# Altium PCB BeagleBone_Black_RevB4.PcbDoc (part 4 of 5)
Units mil, origin at the board's own origin, x right, y up, seen from the top; angles counter-clockwise.
Board outline 3401 x 2151 mil, 6 copper layers (TOP, LYR2_GND, LYR3, LYR4, LYR5_PWR, BOTTOM), stack 62 mil thick; 381 components, 310 nets, 1705 pads, 850 vias.
Unrouted connection lines stored in the file: 1.
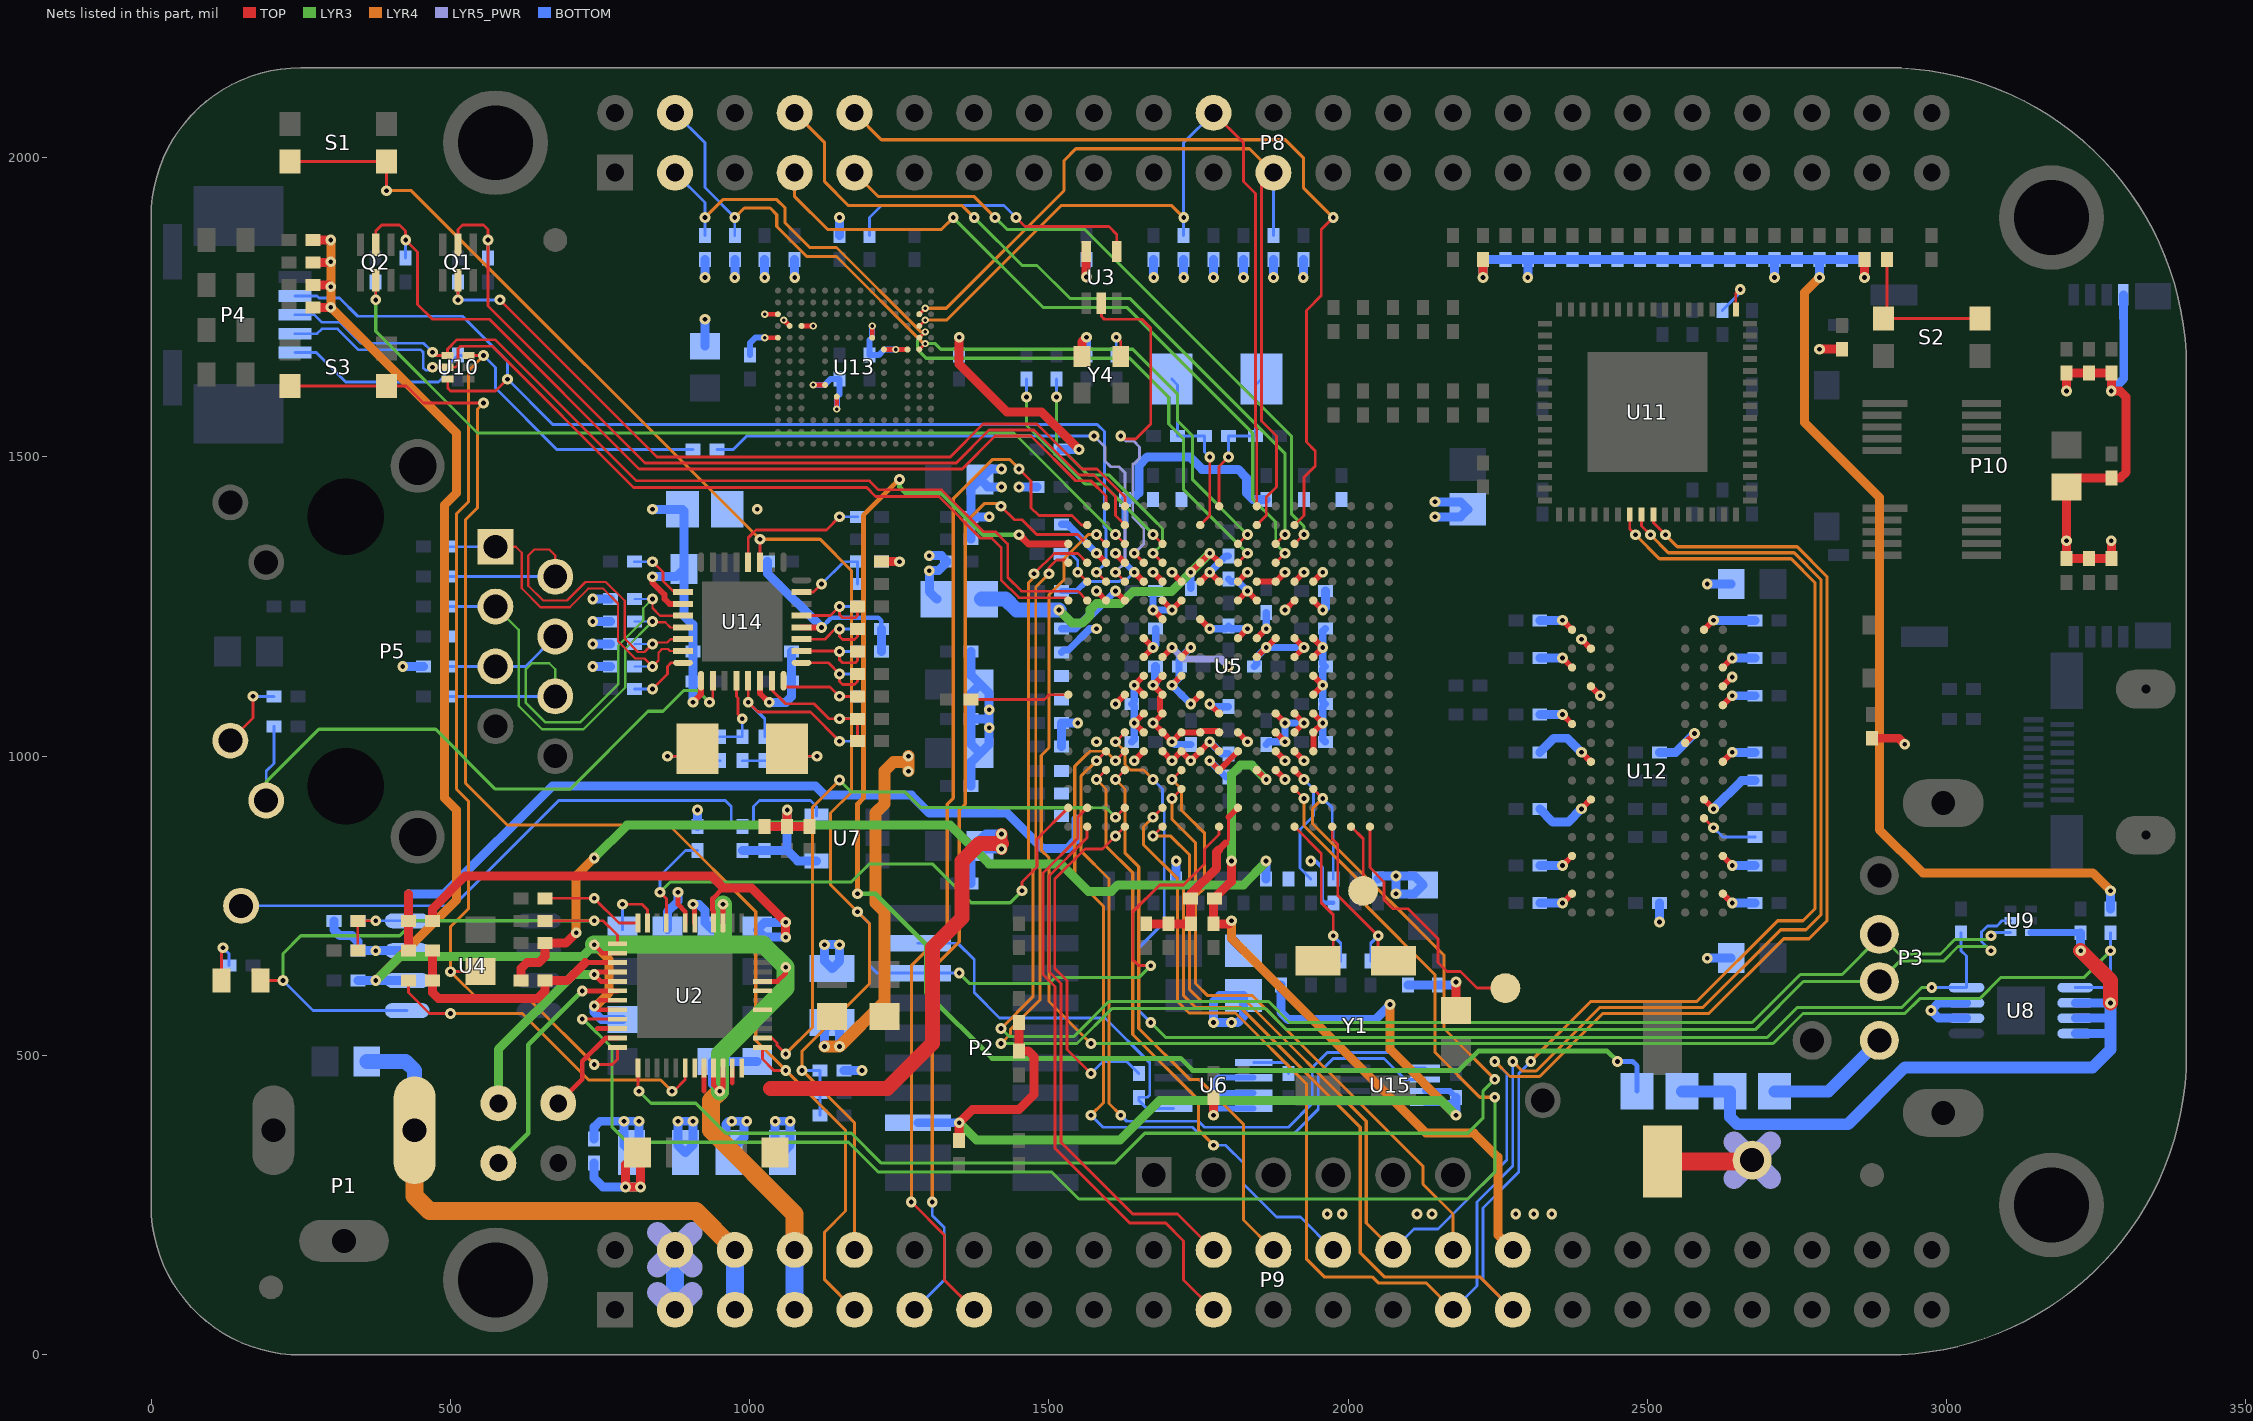
[diagram p8: the nets of this part, all layers, seen from the top]

## Via types
v1: diameter 18, hole 8, TOP to BOTTOM, tented both sides, 793 vias
v2: diameter 22, hole 12, TOP to BOTTOM, tented both sides, 30 vias
v3: diameter 12, hole 6, TOP to BOTTOM, tented both sides, 27 vias

## Nets (pads, with @x,y where several pads share a name; then routed paths per layer and width w, separated by ;. In a path a pad name is that pad's centre, name@x,y a point inside that pad or via, vN(x,y) a via of type N, cw(c..) or ccw(c..) an arc to the next point about the centre after c; other vN are vias at no path point) (continued)
MMC1_DAT4: P8.23 R105.2 U5.U8 U13.B3 | length 1478.1
  TOP w4.75: U13.B3@1283.27,1738.58 v3(1293.11,1748.43) ; U5.U8@1847.24,1386.22 1863.01,1401.99 1863.01,1433.01 1880,1450 1880,1535 1855,1560 1855,1955 P8.23@1875,1975
  LYR4 w5.25: v3(1293.11,1748.43) 1328.43,1748.43 1525,1945 1525,1995 1545,2015 1835,2015 P8.23@1875,1975
  BOTTOM w4.75: R105.2@1875,1870 P8.23@1875,1975
MMC1_DAT5: P8.22 R106.2 U5.V8 U13.B4 | length 1446.2
  TOP w4.75: U13.B4@1283.27,1718.9 v3(1293.11,1728.74) ; P8.22@1775,2075 1825,2025 1825,1960 1845,1940 1845,1550 1847.24,1547.76 U5.V8@1847.24,1417.72
  LYR4 w5.25: v3(1293.11,1728.74) 1328.74,1728.74 1520,1920 1705,1920 v1(1725,1900)
  BOTTOM w4.75: R106.2@1725,1870 v1(1725,1900) 1725,2025 P8.22@1775,2075
MMC1_DAT6: P8.3 R107.2 U5.R9 U13.B5 | length 1451.7
  TOP w4.75: U13.B5@1283.27,1699.21 v3(1293.11,1709.06) ; U5.R9@1815.75,1323.23 v1(1831.5,1338.98)
  LYR3 w5.25: v3(1293.11,1709.06) 1280,1695.95 1280,1680 1295,1665 1635,1665 1700,1600 1700,1555 1725,1530 1725,1445.48 v1(1831.5,1338.98)
  LYR4 w5.25: v1(925,1900) 955,1930 1045,1930 1059.01,1915.99 1059.01,1890.99 1100,1850 1145,1850 1285.94,1709.06 v3(1293.11,1709.06)
  BOTTOM w4.75: P8.3@875,1975 925,1925 v1(925,1900) R107.2@925,1870
MMC1_DAT7: P8.4 R108.2 U5.T9 U13.B6 | length 1452.6
  TOP w4.75: U13.B6@1283.27,1679.53 v3(1293.11,1689.37) ; U5.T9@1815.75,1354.72 v1(1831.5,1370.47)
  LYR3 w5.25: v3(1293.11,1689.37) 1310,1689.37 1319.37,1680 1640,1680 1715,1605 1715,1560 1740,1535 1740,1461.97 v1(1831.5,1370.47)
  LYR4 w5.25: v1(975,1900) 990.99,1915.99 1034.01,1915.99 1045,1905 1045,1885 1095,1835 1145,1835 1290.63,1689.37 v3(1293.11,1689.37)
  BOTTOM w4.75: P8.4@875,2075 925,2025 925,1950 v1(975,1900) R108.2@975,1870
MODE2: R113.1 R138.2 U14.15 | length 152
  TOP w4.75: U14.15@1086.5,1274.25 1106.75,1274.25 v1(1120,1287.5)
  BOTTOM w4.75: v1(1120,1287.5) 1157.5,1325 R113.1@1180,1325 R138.2@1180,1287.5
NetC19_1: C19.1 R10.1 R11.2 U4.4 | length 162.5
  TOP w4.75: R10.1@345,675 C19.1@345,725 v1(375,725)
  BOTTOM w4.75: R11.2@345,725 v1(375,725) U4.4@427.5,725
NetR21_1: R21.1 U6.5 | length 73.5
  BOTTOM w4.75: U6.5@1842,488.4 1895,488.4 1900,483.4 R21.1@1900,470
NetR75_2: R75.2 S2.1 S2.3 | length 262.3
  TOP w4.75: R75.2@2900,1830 2900,1737.21 S2.3@2894.29,1731.5 S2.1@3055.71,1731.5
NetR149_1: R149.1 U11.49 | length 84.2
  TOP w4.75: U11.49@2647.64,1746.26 2647.64,1772.64 v1(2655,1780)
  BOTTOM w4.75: R149.1@2625,1745 2655,1775 v1(2655,1780)
NetR159_2: R159.2 U5.P15 | length 925
  TOP w4.75: v1(1611,1307.5) U5.P15@1626.77,1291.73
  LYR5_PWR w4.75: v1(1575,1535) 1593.62,1516.38 1593.62,1493.22 1603.22,1483.62 1616.78,1483.62 1626.74,1473.66 1626.74,1323.24 v1(1611,1307.5)
  BOTTOM w4.75: R159.2@945,1512.5 972.5,1512.5 995,1535 v1(1575,1535)
NetR162_1: R162.1 U3.4 | length 499.9
  TOP w4.75: v1(1445,1900) 1460,1885 1600,1885 1613.09,1871.91 U3.4@1613.09,1843.31
  BOTTOM w4.75: R162.1@1200,1870 1200,1900 1220,1920 1425,1920 v1(1445,1900)
NetR167_1: R167.1 Y4.3 | length 65.1
  TOP w4.75: v1(1612.5,1700) 1620,1692.5 Y4.3@1620,1668
  BOTTOM w4.75: R167.1@1612.5,1670 v1(1612.5,1700)
NetTP5_1: TP5.1 U2.4 U2.5 | length 386.2
  TOP w8: U2.5@778.94,623.62 751.38,623.62 v1(740,635) 744.37,639.37 U2.4@778.94,639.37
  LYR3 w15: TP5.1@580,420 580,510 705,635 v1(740,635)
NetTP6_1: TP6.1 U2.6 | length 404.8
  TOP w8: v1(720,607.87) U2.6@778.94,607.87
  LYR3 w8: TP6.1@580,320 630,370 630,517.87 v1(720,607.87)
NetTP7_1: TP7.1 U2.11 | length 161.7
  TOP w8: TP7.1@680,420 720,460 720,490 759.13,529.13 U2.11@778.94,529.13
NetU3_2: U3.2 U5.R14 | length 593.9
  TOP w4.75: U3.2@1587.5,1756.69 1587.5,1734.75 1592.25,1730 1655,1730 1670,1715 1670,1555 1645,1530 1625,1530 v1(1620,1535) ; v1(1642.5,1339) U5.R14@1658.27,1323.23
  LYR5_PWR w4.75: v1(1620,1535) 1628.62,1526.38 1641.78,1526.38 1651.38,1516.78 1651.38,1498.22 1641.78,1488.62 1640,1488.62 1640,1400 1658.26,1381.74 1658.26,1354.76 v1(1642.5,1339)
OSC0_IN: C25.1 R17.1 U5.V10 Y2.2 | length 267.9
  TOP w4.75: U5.V10@1784.25,1417.72 1784.25,1484.25 v1(1800,1500)
  BOTTOM w4.75: v1(1800,1500) R17.1@1799.96,1535 C25.1@1845,1535 1845,1620.2 Y2.2@1854.8,1630
OSC0_OUT: C26.1 R17.2 U5.U11 Y2.1 | length 302.9
  TOP w4.75: U5.U11@1752.76,1386.22 1768.52,1401.98 v1(1768.52,1500)
  BOTTOM w4.75: Y2.1@1705.2,1630 1715,1620.2 C26.1@1715,1535 R17.2@1759.96,1535 1760,1508.52 v1(1768.52,1500)
OSC1_IN: C21.2 U5.A6 Y1.1 | length 318.6
  TOP w4.75: U5.A6@1910.24,882.28 1955,837.52 1955,755 1975,735 v1(1975,700) 1975,667.5 1965.7,658.2 Y1.1@1949.5,658.2
  BOTTOM w4.75: v1(1975,700) 1987.5,687.5 C21.2@1987.5,657.5
OSC1_OUT: C22.2 U5.A4 Y1.4 | length 323.6
  TOP w4.75: U5.A4@1973.23,882.28 1973.23,861.77 1982.5,852.5 1982.5,767.5 v1(2050,700) 2050,667.5 2059.3,658.2 Y1.4@2075.5,658.2
  BOTTOM w4.75: C22.2@2037.5,657.5 2037.5,687.5 v1(2050,700)
P_BYPASS: C4.2 U2.47 | length 110.2
  TOP w4.75: v1(787.5,752.5) 820,752.5 829.13,743.37 U2.47@829.13,721.06
  BOTTOM w4.75: C4.2@787.5,710 v1(787.5,752.5)
P_INT_LDO: C3.2 U2.48 | length 173.1
  TOP w4.75: C3.2@657.5,762.5 v1(740,762.5) 781.44,721.06 U2.48@813.39,721.06
P_L1: L1.1 U2.20 | length 179.3
  TOP w8: 923.62,440 U2.20@923.62,478.94
  BOTTOM w15: L1.1@880,350 L1.1@892.5,337.5 905,350 v1(905,390) v1(880,390) L1.1@880,350
P_L2: L2.1 U2.23 | length 176.4
  TOP w8: 970.87,454.13 U2.23@970.87,478.94
  BOTTOM w15: L2.1@960,342.5 L2.1@965,337.5 990,362.5 990,385 v1(995,390) v1(970,390) 965,390 960,385 L2.1@960,342.5
P_L3: L3.1 U2.31 | length 115.4
  BOTTOM w15: L3.1@1125,657.5 L3.1@1137.5,645 1150,657.5 v1(1150,685) v1(1125,685) L3.1@1125,657.5
PHY_VDDCR: C134.1 C136.1 U14.6 | length 159.6
  TOP w10: U14.6@1017.05,1126 1017.05,1104.83 1031.88,1090 v1(1032.5,1090)
  BOTTOM w15: v1(1032.5,1090) 1060.25,1090 1070,1099.75 C134.1@1070,1125 C136.1@1070,1175
PHY_XTAL1: C143.1 R141.2 R142.1 Y3.1 | length 183.5
  TOP w4.75: Y3.1@1062.3,1012.5 1074.8,1000 v1(1112.5,1000)
  BOTTOM w4.75: R141.2@987.5,992.5 R142.1@1025,992.5 C143.1@1062.5,992.5 1070,1000 v1(1112.5,1000)
PHY_XTAL2: R141.1 R143.1 U14.4 | length 135.1
  TOP w4.75: U14.4@977.65,1126 977.65,1099.85 980.15,1097.35 980.15,1069.85 v1(987.5,1062.5)
  BOTTOM w4.75: R143.1@950,1032.5 R141.1@987.5,1032.5 v1(987.5,1062.5)
PHYX: C142.1 R143.2 Y3.2 | length 146
  TOP w4.75: v1(862.5,1000) 900.2,1000 Y3.2@912.7,1012.5
  BOTTOM w4.75: v1(862.5,1000) 905,1000 C142.1@912.5,992.5 R143.2@950,992.5
PMIC_INT: R1.2 U2.45 U5.B18 | length 994.1
  TOP w4.75: v1(850,772.5) 860.63,761.87 U2.45@860.63,721.06 ; v1(1455,775) 1455,790 1480,815 1480,861.5 U5.B18@1532.28,913.78
  LYR3 w5.25: v1(850,772.5) 867.5,790 1170,790 1200,820 1305,820 1370,755 1435,755 v1(1455,775)
  BOTTOM w4.75: v1(850,772.5) 850,800 892.5,842.5 R1.2@912.5,842.5
PMIC_PGOOD: U2.26 U5.B15 | length 1056.1
  TOP w4.75: U2.26@1021.06,529.13 1037.35,529.13 1045.54,520.94 1045.54,516.96 v1(1060,502.5) ; v1(1611,898) U5.B15@1626.77,913.78
  LYR3 w4.75: 1572.64,913.74 1595.26,913.74 v1(1611,898)
  LYR3 w5.25: v1(1150,960) 1170,940 1260,940 1285.99,914.01 1413.74,914.01 1414.01,913.74 1572.64,913.74
  LYR4 w5.25: v1(1060,502.5) 1105,547.5 1105,915 v1(1150,960)
PMIC_POWR_EN: U2.9 U5.C6 | length 2598.3
  TOP w4.75: v1(720,560.63) U2.9@778.94,560.63 ; U5.C6@1910.24,945.28 v1(1926,929.5)
  LYR3 w5.25: v1(720,560.63) 721.87,560.63 770,512.5 770,380 795,355 1165,355 1215,305 1505,305 1550,260 2200,260 2245,305 v1(2245,430)
  LYR4 w5.25: v1(1926,929.5) 1926,884 2030,780 2030,750 2145,635 2145,505 2220,430 v1(2245,430)
PROC_A15: R18.1 U5.A15 | length 599.8
  TOP w4.75: v1(1570,470) 1530,510 1530,625 1509.51,645.49 1509.51,794.51 1560,845 1589.5,845 v1(1611,866.5) U5.A15@1626.77,882.28
  BOTTOM w4.75: v1(1570,470) 1590,490 1630,490 R18.1@1650,470
PWR_BUT: P9.9 S3.2 S3.4 U2.25 | length 2385.1
  TOP w4.75: S3.4@231.79,1618.5 S3.2@393.21,1618.5 426.5,1618.5 455,1590 v1(555,1590) ; U2.25@1021.06,513.39 1021.06,493.94 1040,475 v1(1060,475)
  LYR4 w5.25: v1(555,1590) 545,1580 545,1415 525,1395 525,955 595,885 865,885 1010,740 1010,525 v1(1060,475) 1160,375 1160,240 1125,205 1125,125 P9.9@1175,75
PWR_LEDR: D1.1 R12.2 | length 90.2
  TOP w4.75: D1.1@117.5,625 117.5,677.5 v1(120,680)
  BOTTOM w4.75: v1(120,680) 130,670 R12.2@130,650
RBIAS: R144.1 U14.32 | length 106.4
  TOP w4.75: v1(837.5,1112.5) 862.5,1137.5 862.5,1150 868.55,1156.05 U14.32@888.5,1156.05
  BOTTOM w4.75: R144.1@807.5,1112.5 v1(837.5,1112.5)
RCLKIN: R140.2 R142.2 U14.5 | length 314.4
  TOP w4.75: U14.5@997.35,1126 997.35,1100.15 997.5,1100 v1(997.5,1090) 1013.88,1073.62 1101.38,1073.62 v1(1150,1025)
  BOTTOM w4.75: v1(997.5,1090) 1025,1062.5 R142.2@1025,1032.5 ; v1(1150,1025) R140.2@1180,1025
REFCLKO: R118.1 R124.2 R131.2 U14.7 | length 246
  TOP w4.75: U14.7@1036.75,1126 1036.75,1110.75 1060,1087.5 1107.5,1087.5 1132.5,1062.5 v1(1150,1062.5) R124.2@1180,1062.5 R118.1@1180,1025
  BOTTOM w4.75: v1(1150,1062.5) R131.2@1180,1062.5
RXD0/MODE0: R112.1 R128.2 U14.11 | length 159.7
  TOP w4.75: U14.11@1086.5,1195.45 1125.45,1195.45 1142.5,1212.5 v1(1150,1212.5) 1150,1200 1155,1195 1175,1195 1180,1200 R128.2@1180,1212.5
  BOTTOM w4.75: v1(1150,1212.5) R112.1@1180,1212.5
RXD1/MODE1: R114.1 R127.2 U14.10 | length 156.2
  TOP w4.75: U14.10@1086.5,1175.75 1137.5,1175.75 1149.39,1175.61 v1(1150,1175) 1150,1161.23 1155,1156.23 1176.23,1156.23 1180,1160 R127.2@1180,1175
  BOTTOM w4.75: v1(1150,1175) R114.1@1180,1175
RXD2/RMIISEL: R117.1 R126.2 U14.9 | length 160.3
  TOP w4.75: U14.9@1086.5,1156.05 1131.45,1156.05 v1(1150,1137.5) 1150,1125 1155,1120 1175,1120 1180,1125 R126.2@1180,1137.5
  BOTTOM w4.75: v1(1150,1137.5) R117.1@1180,1137.5
RXD3/PHYAD2: R116.1 R125.2 U14.8 | length 167.4
  TOP w4.75: U14.8@1056.45,1126 1056.45,1120.74 1061.45,1115.74 1134.26,1115.74 v1(1150,1100) R125.2@1180,1100
  BOTTOM w4.75: v1(1150,1100) R116.1@1180,1100
RXDV: R129.2 U14.26 | length 110.8
  TOP w4.75: v1(837.5,1325) 855,1307.5 855,1292.5 873.25,1274.25 U14.26@888.5,1274.25
  BOTTOM w4.75: R129.2@807.5,1325 v1(837.5,1325)
RXER/PHYAD0: R115.1 R133.2 U14.13 | length 162.2
  TOP w4.75: U14.13@1086.5,1234.85 1134.85,1234.85 v1(1150,1250) 1150,1236.23 1155,1231.23 1176.23,1231.23 1180,1235 R133.2@1180,1250
  BOTTOM w4.75: v1(1150,1250) R115.1@1180,1250
RXN: C138.1 P5.2 R121.1 U14.30 | length 724.8
  TOP w3.75: P5.2@675,1300 675,1335.39 665,1345.39 640,1345.39 630,1335.39 630,1285 655,1260 694.44,1260 725.44,1291 759.56,1291 791,1259.56 791,1196.5 813.25,1174.25 824.25,1174.25 v1(837.5,1187.5) 840,1190 862.05,1190 867.5,1195.45 U14.30@888.5,1195.45
  BOTTOM w3.75: R121.1@807.5,1187.5 v1(837.5,1187.5)
  BOTTOM w4.75: C138.1@495,1300 P5.2@675,1300
RXP: C137.1 P5.1 R120.1 U14.31 | length 624.8
  TOP w3.75: P5.1@575,1350 609,1350 619,1340 619,1280.44 650.44,1249 699,1249 730,1280 755,1280 780,1255 780,1191.94 808.69,1163.25 824.25,1163.25 v1(837.5,1150) 847.5,1160 847.5,1173 853.5,1179 863.5,1179 866.75,1175.75 U14.31@888.5,1175.75
  BOTTOM w3.75: R120.1@807.5,1150 v1(837.5,1150)
  BOTTOM w4.75: C137.1@495,1350 P5.1@575,1350
SPI1_CS0: P9.28 U5.C12 U11.25 | length 2996.8
  TOP w4.75: v1(1705.5,929.5) U5.C12@1721.26,945.28 ; U11.25@2509.84,1403.74 2509.84,1390.16 v1(2530,1370)
  LYR4 w5.25: v1(1705.5,929.5) 1705.5,894.5 1745,855 1745,785 1735,775 1735,610 1755,590 1830,590 2030,390 2030,220 P9.28@2075,175 ; v1(2245,490) 2270.24,464.76 2319.76,464.76 2425,570 2602.5,570 2727.5,695 2770,695 2800,725 2800,1300 2750,1350 2550,1350 v1(2530,1370)
  BOTTOM w4.75: P9.28@2075,175 2110,210 2150.01,210 2265,324.99 2265,470 v1(2245,490)
SPI1_D0: P9.29 U5.B13 U11.24 | length 3207.4
  TOP w4.75: v1(1674,898) U5.B13@1689.76,913.78 ; U11.24@2490.16,1403.74 2490.16,1384.84 v1(2505,1370)
  LYR4 w5.25: v1(1674,898) 1658.01,882.01 1658.01,851.99 1715,795 1715,590 1734.01,570.99 1811.62,570.99 1930,452.61 1930,160 1960,130 2040,130 2050,120 2130,120 P9.29@2175,75 ; v1(2275,490) 2290.99,474.01 2314.01,474.01 2420,580 2592.5,580 2722.5,710 2765,710 2790,735 2790,1295 2745,1340 2535,1340 v1(2505,1370)
  BOTTOM w4.75: P9.29@2175,75 2215,115 2215,255 2275,315 v1(2275,490)
SPI1_D1: P9.30 U5.D12 | length 1059.3
  TOP w4.75: v1(1705.5,961) U5.D12@1721.26,976.77
  LYR4 w4.75: v1(1705.5,961) 1721.24,945.26 1721.24,910
  LYR4 w5.25: 1721.24,910 1760,871.24 1760,780 1744.75,764.75 1744.75,620.25 1765,600 1840,600 2125,315 2125,285 2175,235 P9.30@2175,175
SPI1_SCLK: P9.31 U5.A13 U11.23 | length 3191.3
  TOP w4.75: v1(1674,866.5) U5.A13@1689.76,882.28 ; U11.23@2470.47,1403.74 2470.47,1379.53 v1(2480,1370)
  LYR4 w5.25: v1(1674,866.5) 1703.5,866.5 1735,835 1735,795 1725,785 1725,600 1744.76,580.24 1819.76,580.24 2020,380 2020,170 2060,130 2220,130 P9.31@2275,75 ; v1(2305,490) 2405,590 2582.5,590 2717.5,725 2760,725 2780,745 2780,1290 2740,1330 2520,1330 v1(2480,1370)
  BOTTOM w4.75: P9.31@2275,75 2225,125 2225,245 2285,305 2285,470 v1(2305,490)
SYS_5V: C7.2 C8.2 C10.2 C13.2 C17.1 C34.1 P9.7 P9.8 R71.1 R72.1 R73.1 R74.1 RT1.1 U2.2 U2.7 U2.8 U2.21 U2.22 U2.32 U2.39 U2.42 U4.2 U8.2 U8.3 | length 4290.6
  TOP w8: v1(740,685) 754.13,670.87 U2.2@778.94,670.87 ; U2.8@778.94,576.38 746.12,576.38 v1(740,582.5) 749.63,592.13 U2.7@778.94,592.13 ; v1(905,752.5) 907.87,748.08 U2.42@907.87,721.06 ; U2.21@939.37,478.94 939.37,450.63 v1(950,440) 955.12,445.12 U2.22@955.12,478.94 ; U2.39@955.12,721.06 v1(955.12,752.5) ; U2.32@1021.06,623.62 1046.12,623.62 1060,637.5 v1(1060,647.5)
  TOP w15: R71.1@270,1750 v1(300,1750) ; R74.1@270,1787.5 296.97,1787.5 v1(300,1784.47) ; R73.1@270,1825 298.81,1825 v1(300,1826.19) ; R72.1@270,1862.5 v1(300,1862.5)
  TOP w30: C34.1@2525,322.5 2672.5,322.5 RT1.1@2675,325
  LYR3 w15: v1(375,625) 415,665 720,665 v1(740,685)
  LYR3 w30: v1(740,685) 955.12,685 ; v1(950,440) 950,502.5 1060,612.5 v1(1060,647.5) 1022.5,685 955.12,685 ; v1(955.12,752.5) 955.12,685
  LYR4 w15: v1(300,1862.5) v1(300,1826.19) v1(300,1784.47) v1(300,1750) 510,1540 510,1440 490,1420 490,930 510,910 510,760 v1(375,625) ; v1(740,582.5) 742.5,582.5 765,605 765,660 v1(740,685)
  LYR4 w30: v1(950,440) 935,425 935,375 1075,235 P9.8@1075,175
  LYR5_PWR w35: 2644.35,294.35 RT1.1@2675,325 ; 2644.35,355.65 RT1.1@2675,325 ; 2705.65,294.35 RT1.1@2675,325 ; 2705.65,355.65 RT1.1@2675,325
  BOTTOM w15: C17.1@345,625 v1(375,625) U4.2@427.5,625 ; v1(740,582.5) 740,572.5 752.5,560 C10.2@787.5,560 ; v1(905,752.5) 915,752.5 925,742.5 925,722.5 C13.2@937.5,710 955.12,727.62 v1(955.12,752.5) ; v1(950,440) 937.5,452.5 C7.2@937.5,490 C8.2@1012.5,490 ; U8.2@3032.9,562.2 2986.7,562.2 v1(2973.9,575) 2986.7,587.8 U8.3@3032.9,587.8
  BOTTOM w30: P9.7@1075,75 P9.8@1075,175
SYS_RESETN: C24.1 C30.1 P2.15 P9.10 R14.2 S1.2 S1.4 U5.A10 U14.19 | length 3585.2
  TOP w4.75: S1.4@231.79,1993.5 S1.2@393.21,1993.5 v1(393.21,1945) ; U14.19@1017.05,1324 v1(1017.05,1362.5) ; v1(1670,650) 1650,650 1640,660 1640,740 1685,785 1725,785 1760,820 1760,845 1784.25,869.25 U5.A10@1784.25,882.28
  LYR3 w5.25: v1(1350,637.5) 1367.5,620 1500,620 1510,630 1650,630 v1(1670,650)
  LYR4 w5.25: v1(393.21,1945) 434.55,1945 v1(1017.05,1362.5) 1117.52,1362.5 1170,1310 1170,940 1135,905 1135,785 v1(1180,740) 1200,720 1200,620 1087.5,507.5 v1(1087.5,475) 1175,387.5 P9.10@1175,175
  BOTTOM w4.75: v1(1087.5,475) R14.2@1117.5,475 C24.1@1117.5,437.5 C30.1@1117.5,400 ; v1(1180,740) 1200,720 1200,650 1212.5,637.5 P2.15@1281,637.5 v1(1350,637.5)
TCT_RCT: C141.1 P5.4 P5.5 R137.1 | length 250.7
  BOTTOM w4.75: C141.1@495,1200 R137.1@495,1150 P5.5@575,1150 625,1150 P5.4@675,1200
TESTOUT: TP3.1 U5.A3 | length 115.7
  TOP w4.75: U5.A3@2004.72,882.28 2025,862 TP3.1@2025,775
TIMER4: P8.7 U5.R7 | length 1231.1
  TOP w4.75: U5.R7@1878.74,1323.23 v1(1894.5,1339)
  LYR3 w4.75: 1878.76,1380 1878.76,1354.74 v1(1894.5,1339)
  LYR3 w5.25: v1(1340,1900) 1490,1750 1630,1750 1840.5,1539.5 1840.5,1429.5 1878.76,1391.24 1878.76,1380
  LYR4 w5.25: P8.7@1075,1975 1075,1935 1130,1880 1320,1880 v1(1340,1900)
TIMER5: P8.9 U5.T6 | length 1107.8
  TOP w4.75: U5.T6@1910.24,1354.72 v1(1926,1370.5)
  LYR3 w5.25: v1(1410,1900) 1430,1880 1560,1880 1905,1535 1905,1405 1926,1384 v1(1926,1370.5)
  LYR4 w5.25: P8.9@1175,1975 1215,1935 1375,1935 v1(1410,1900)
TIMER6: P8.10 U5.U6 | length 1454.8
  TOP w4.75: U5.U6@1910.24,1386.22 1925.97,1401.95 1925.97,1465.97 1945,1485 1945,1510 1930,1525 1930,1745 1955,1770 1955,1880 v1(1975,1900)
  LYR4 w5.25: P8.10@1175,2075 1220,2030 1895,2030 1925,2000 1925,1950 v1(1975,1900)
TIMER7: P8.8 U5.T7 | length 1250.8
  TOP w4.75: U5.T7@1878.74,1354.72 v1(1894.5,1370.5)
  LYR3 w5.25: v1(1375,1900) 1455,1820 1480,1820 1535,1765 1635,1765 1894.5,1505.5 v1(1894.5,1370.5)
  LYR4 w5.25: P8.8@1075,2075 1125,2025 1125,1960 1165,1920 1355,1920 v1(1375,1900)
TXCLK: R134.2 U14.20 | length 238.2
  TOP w4.75: U14.20@997.35,1324 997.35,1365.06 1010.53,1378.24 1128.24,1378.24 v1(1150,1400)
  BOTTOM w4.75: v1(1150,1400) R134.2@1180,1400
TXN: C140.1 P5.6 R123.1 U14.28 | length 799.6
  TOP w3.75: v1(837.5,1262.5) 837.5,1247.46 850.11,1234.85 U14.28@888.5,1234.85
  LYR3 w4: P5.6@675,1100 675,1145.2 665,1155.2 636,1155.2 626,1145.2 626,1089 658,1057 717,1057 780,1120 780,1184.48 822.14,1226.62 822.14,1247.14 v1(837.5,1262.5)
  BOTTOM w3.75: R123.1@807.5,1262.5 v1(837.5,1262.5)
  BOTTOM w4.75: C140.1@495,1100 P5.6@675,1100
TXP: C139.1 P5.3 R122.1 U14.29 | length 699.6
  TOP w3.75: v1(837.5,1225) 837.49,1224.3 837.94,1223.85 858.8,1223.85 867.5,1215.15 U14.29@888.5,1215.15
  LYR3 w4: P5.3@575,1250 614,1211 614,1084.02 653.02,1045 721.98,1045 792,1115.02 792,1179.5 v1(837.5,1225)
  BOTTOM w3.75: R122.1@807.5,1225 v1(837.5,1225)
  BOTTOM w4.75: C139.1@495,1250 P5.3@575,1250
U5_H18: R28.1 U5.H18 | length 165.5
  TOP w4.75: R28.1@1370,1095 1492.24,1095 1500,1102.76 U5.H18@1532.28,1102.76
U5_R13: R160.1 U5.R13 | length 413.8
  TOP w4.75: v1(1673.99,1339) U5.R13@1689.76,1323.23
  LYR3 w4.75: v1(1673.99,1339) 1689.76,1354.77 1689.76,1380.24 1675,1395
  LYR3 w5.25: v1(1512.5,1600) 1512.5,1522.5 1565,1470 1600,1470 1675,1395
  BOTTOM w4.75: v1(1512.5,1600) R160.1@1512.5,1630
U5_T13: R161.1 U5.T13 | length 387
  TOP w4.75: v1(1674,1370.5) U5.T13@1689.76,1354.72
  LYR3 w5.25: v1(1462.5,1600) 1462.5,1552.5 1560,1455 1590,1455 1674,1371 v1(1674,1370.5)
  BOTTOM w4.75: v1(1462.5,1600) R161.1@1462.5,1630
UART0_RX: U5.E15 U15.6 | length 1390.8
  TOP w4.75: v1(1611,992.5) U5.E15@1626.77,1008.27
  LYR4 w4.75: 1565,1005 1568.24,1008.24 1595.26,1008.24 v1(1611,992.5)
  LYR4 w5.25: 1565,1005 1543.01,983.01 1543.01,796.99 1590.99,749.01 1590.99,421.03 v1(1570,400.04)
  BOTTOM w4.75: v1(1570,400.04) 1590,380 1740,380 1750,370 1910,370 1950,410 1950,470 1975,495 2060,495 2095.2,459.8 U15.6@2128,459.8
UART0_TX: U5.E16 U15.5 | length 1267.1
  TOP w4.75: v1(1579.5,992.5) U5.E16@1595.28,1008.27
  LYR4 w5.25: v1(1579.5,992.5) 1553.26,966.26 1553.26,841.74 1600.24,794.76 1600.24,419.76 v1(1620,400)
  BOTTOM w4.75: v1(1620,400) 1630,390 1750,390 1760,380 1900,380 1940,420 1940,480 1965,505 2070,505 2095.5,479.5 U15.5@2128,479.5
UART1_RXD: P9.26 U5.D16 | length 1007.3
  TOP w4.75: v1(1579.5,961) U5.D16@1595.28,976.77
  LYR4 w4.75: v1(1579.5,961) 1595.24,945.26 1595.24,855.24
  LYR4 w5.25: 1595.24,855.24 1595.24,849.76 1640,805 1640,535 1750,425 1750,375 v1(1775,350)
  BOTTOM w4.75: v1(1775,350) 1795,350 1825,320 1825,285 1880,230 1920,230 P9.26@1975,175
UART1_TXD: P9.24 U5.D15 | length 926.4
  TOP w4.75: v1(1611,961) U5.D15@1626.77,976.77
  LYR4 w4.75: v1(1611,961) 1626.74,945.26 1626.74,920
  LYR4 w5.25: 1626.74,920 1627.26,919.48 1627.26,837.74 1650,815 1650,545 1735,460 1750,460 1825,385 1825,225 P9.24@1875,175
UART2_RXD: P9.22 U5.A17 | length 891.7
  TOP w4.75: 1563.76,873.02 1563.76,863.76 1499.76,799.76 1499.76,640.24 1520,620 1520,355 1640,235 1715,235 P9.22@1775,175 ; 1563.78,873.04 U5.A17@1563.78,882.28
UART2_TXD: P9.21 U5.B17 | length 1022.5
  TOP w4.75: U5.B17@1563.78,913.78 1548.01,898.01 1548.01,863.01 1490,805 1490,635 1510,615 1510,345 1635,220 1695,220 1725,190 1725,125 P9.21@1775,75
UART4_RXD: P9.11 U5.T17 | length 1612.1
  TOP w4.75: v1(1420,1417.5) 1442.5,1395 1455,1395 1479.55,1370.45 1548.05,1370.45 U5.T17@1563.78,1354.72
  LYR4 w5.25: v1(1305,255) 1305,645 1350,690 1350,910 1360,920 1360,1390 1392.5,1422.5 1415,1422.5 v1(1420,1417.5)
  BOTTOM w4.75: P9.11@1275,75 1325,125 1325,212.5 1305,232.5 v1(1305,255)
UART4_TXD: P9.13 U5.U17 | length 1750.4